# Altium PCB D73-V1.2 交通灯系统.PcbDoc (part 2 of 3)
Units mm, origin at the board's own origin, x right, y up, seen from the top; angles counter-clockwise.
Board outline 234.25 x 96.25 mm, 2 copper layers (TopLayer, BottomLayer); 84 components, 157 nets, 428 pads, 59 vias.
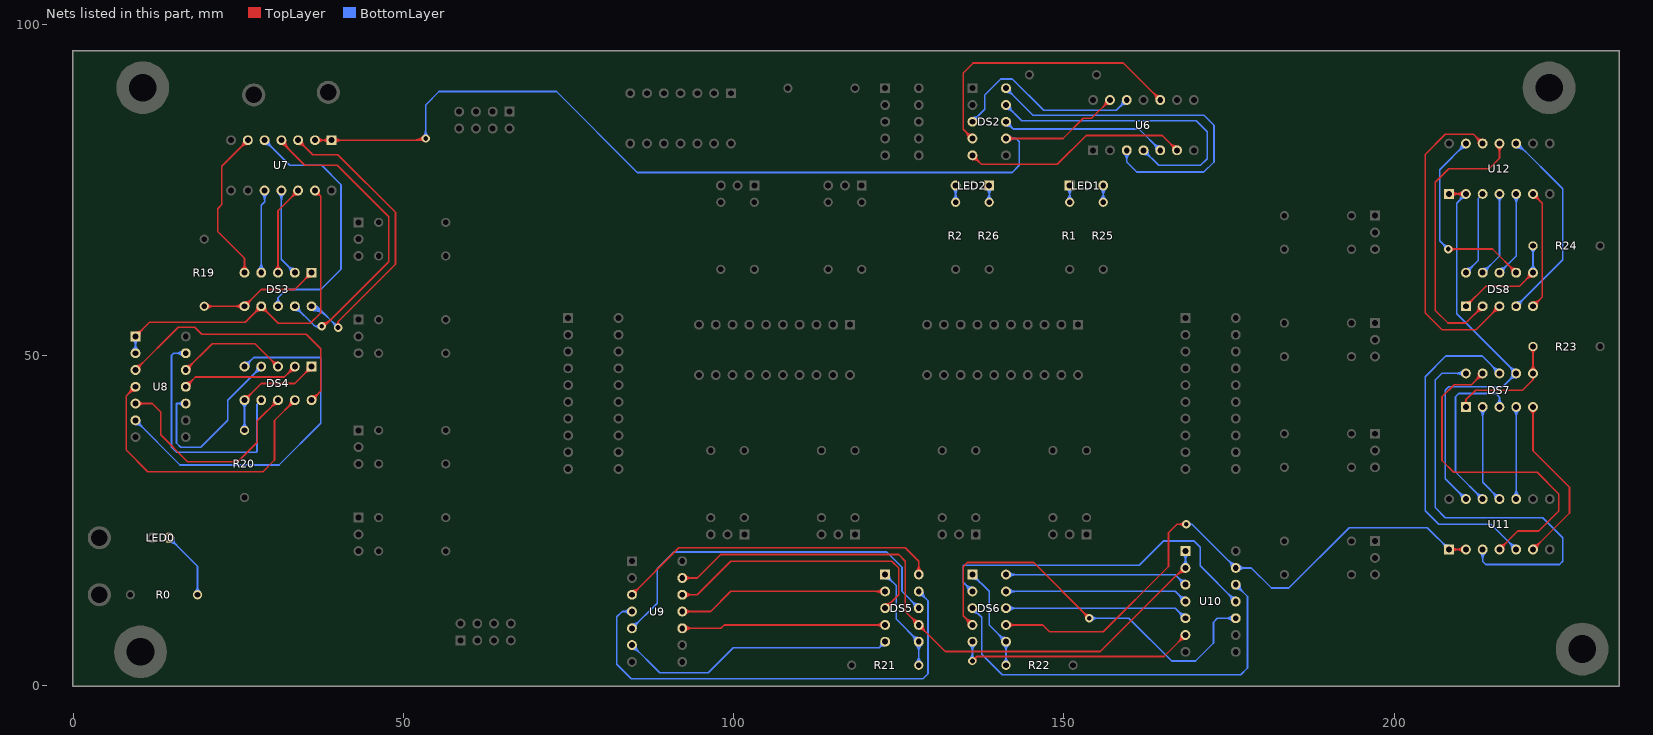
[diagram p2: the nets of this part, all layers, seen from the top]

## Via types
v1: diameter 1, hole 0.7, TopLayer to BottomLayer, 39 vias
v2: diameter 1.27, hole 0.711, TopLayer to BottomLayer, 20 vias

## Nets (pads, with @x,y where several pads share a name; then routed paths per layer and width w, separated by ;. In a path a pad name is that pad's centre, name@x,y a point inside that pad or via, vN(x,y) a via of type N, cw(c..) or ccw(c..) an arc to the next point about the centre after c; other vN are vias at no path point) (continued)
NetDS2_3: DS2.3 U6.12 | length 37.5
  BottomLayer w0.254: DS2.3@136.144,85.344 138.024,87.224 138.024,89.408 140.437,91.821 142.189,91.821 146.926,87.084 157.95,87.084 U6.12@159.512,88.646 ; DS2.3@136.144,85.713 ccw(c136.144,86.604) 136.774,85.974 ccw(c137.404,85.344) DS2.3@136.513,85.344 ; DS2.3@136.144,85.967 ccw(c136.144,87.471) 137.208,86.408 ccw(c138.271,85.344) DS2.3@136.767,85.344 ; U6.12@158.889,88.646 cw(c157.385,88.646) 158.448,87.582 cw(c159.512,86.519) U6.12@159.512,88.023 ; U6.12@159.143,88.646 cw(c158.252,88.646) 158.882,88.016 cw(c159.512,87.386) U6.12@159.512,88.277
NetDS2_4: DS2.4 U6.10 | length 50.8
  TopLayer w0.254: DS2.4@135.521,82.804 ccw(c134.017,82.804) 135.08,83.868 ccw(c136.144,84.931) DS2.4@136.144,83.427 ; DS2.4@135.775,82.804 ccw(c134.884,82.804) 135.514,83.434 ccw(c136.144,84.064) DS2.4@136.144,83.173 ; DS2.4@136.144,82.804 134.747,84.201 134.747,92.735 136.246,94.234 159.004,94.234 U6.10@164.592,88.646 ; U6.10@163.969,88.646 ccw(c162.465,88.646) 163.528,89.71 ccw(c164.592,90.773) U6.10@164.592,89.269 ; U6.10@164.223,88.646 ccw(c163.332,88.646) 163.962,89.276 ccw(c164.592,89.906) U6.10@164.592,89.015
NetDS2_5: DS2.5 U6.6 | length 41.8
  TopLayer w0.254: DS2.5@136.144,79.641 cw(c136.144,78.137) 137.208,79.2 cw(c138.271,80.264) DS2.5@136.767,80.264 ; DS2.5@136.144,79.895 cw(c136.144,79.004) 136.774,79.634 cw(c137.404,80.264) DS2.5@136.513,80.264 ; DS2.5@136.144,80.264 137.521,78.887 148.991,78.887 153.365,83.261 164.897,83.261 U6.6@167.132,81.026 ; U6.6@166.509,81.026 ccw(c165.005,81.026) 166.068,82.09 ccw(c167.132,83.153) U6.6@167.132,81.649 ; U6.6@166.763,81.026 ccw(c165.872,81.026) 166.502,81.656 ccw(c167.132,82.286) U6.6@167.132,81.395
NetDS2_7: DS2.7 U6.13 U7.1 U7.2 | length 170.5
  TopLayer w0.254: U7.2@36.576,82.55 U7.1@39.116,82.55 53.086,82.55 v2(53.34,82.804) cw(c52.727,83.417) 52.727,82.55 cw(c52.727,82.191) v2@52.981,82.445 ; U7.2@36.837,82.289 cw(c37.467,81.659) 37.467,82.55 cw(c37.467,83.441) U7.2@36.837,82.811 ; U7.2@37.017,82.109 cw(c38.08,81.046) 38.08,82.55 cw(c38.08,84.054) U7.2@37.017,82.991 ; U7.1@38.675,82.109 ccw(c37.612,81.046) 37.612,82.55 ccw(c37.612,84.054) U7.1@38.675,82.991 ; U7.1@38.855,82.289 ccw(c38.225,81.659) 38.225,82.55 ccw(c38.225,83.441) U7.1@38.855,82.811 ; U7.1@39.377,82.289 cw(c40.007,81.659) 40.007,82.55 cw(c40.007,83.441) U7.1@39.377,82.811 ; U7.1@39.557,82.109 cw(c40.62,81.046) 40.62,82.55 cw(c40.62,84.054) U7.1@39.557,82.991 ; 51.5,82.55 ccw(c51.5,84.644) v2@52.981,83.163 ; 52.114,82.55 ccw(c52.114,84.03) v2@53.16,82.984 ; DS2.7@141.224,82.804 149.86,82.804 152.908,85.852 154.178,85.852 U6.13@156.972,88.646 ; DS2.7@141.485,82.543 cw(c142.115,81.913) 142.115,82.804 cw(c142.115,83.695) DS2.7@141.485,83.065 ; DS2.7@141.665,82.363 cw(c142.728,81.3) 142.728,82.804 cw(c142.728,84.308) DS2.7@141.665,83.245 ; U6.13@156.349,88.646 cw(c154.845,88.646) 155.908,87.582 cw(c156.972,86.519) U6.13@156.972,88.023 ; U6.13@156.603,88.646 cw(c155.712,88.646) 156.342,88.016 cw(c156.972,87.386) U6.13@156.972,88.277
  BottomLayer w0.254: v2@52.981,83.163 ccw(c52.114,84.03) 53.34,84.03 ccw(c54.566,84.03) v2@53.699,83.163 ; v2(53.34,82.804) 53.34,87.884 55.372,89.916 73.152,89.916 85.412,77.656 142.172,77.656 143.256,78.74 143.256,82.296 142.748,82.804 DS2.7@141.224,82.804 ; DS2.7@141.485,82.543 cw(c142.115,81.913) 142.115,82.804 cw(c142.115,83.695) DS2.7@141.485,83.065 ; DS2.7@141.665,82.363 cw(c142.728,81.3) 142.728,82.804 cw(c142.728,84.308) DS2.7@141.665,83.245
NetDS2_8: DS2.8 U6.5 | length 32.7
  BottomLayer w0.254: DS2.8@141.224,84.721 cw(c141.224,83.217) 142.288,84.28 cw(c143.351,85.344) DS2.8@141.847,85.344 ; DS2.8@141.224,84.975 cw(c141.224,84.084) 141.854,84.714 cw(c142.484,85.344) DS2.8@141.593,85.344 ; DS2.8@141.224,85.344 142.316,84.252 161.366,84.252 U6.5@164.592,81.026 ; U6.5@163.969,81.026 ccw(c162.465,81.026) 163.528,82.09 ccw(c164.592,83.153) U6.5@164.592,81.649 ; U6.5@164.223,81.026 ccw(c163.332,81.026) 163.962,81.656 ccw(c164.592,82.286) U6.5@164.592,81.395
NetDS2_9: DS2.9 U6.4 | length 54.8
  BottomLayer w0.254: DS2.9@141.224,87.261 cw(c141.224,85.757) 142.288,86.82 cw(c143.351,87.884) DS2.9@141.847,87.884 ; DS2.9@141.224,87.515 cw(c141.224,86.624) 141.854,87.254 cw(c142.484,87.884) DS2.9@141.593,87.884 ; DS2.9@141.224,87.884 143.616,85.492 170.032,85.492 171.704,83.82 171.704,79.756 170.688,78.74 164.338,78.74 U6.4@162.052,81.026 ; U6.4@162.052,80.403 cw(c162.052,78.899) 163.116,79.962 cw(c164.179,81.026) U6.4@162.675,81.026 ; U6.4@162.052,80.657 cw(c162.052,79.766) 162.682,80.396 cw(c163.312,81.026) U6.4@162.421,81.026
NetDS2_10: DS2.10 U6.3 | length 63.2
  BottomLayer w0.254: DS2.10@141.224,89.801 cw(c141.224,88.297) 142.288,89.36 cw(c143.351,90.424) DS2.10@141.847,90.424 ; DS2.10@141.224,90.055 cw(c141.224,89.164) 141.854,89.794 cw(c142.484,90.424) DS2.10@141.593,90.424 ; DS2.10@141.224,90.424 145.318,86.33 171.226,86.33 172.72,84.836 172.72,79.248 171.196,77.724 161.036,77.724 159.512,79.248 U6.3@159.512,81.026 ; U6.3@159.071,80.585 cw(c158.008,79.522) 159.512,79.522 cw(c161.016,79.522) U6.3@159.953,80.585 ; U6.3@159.251,80.765 cw(c158.621,80.135) 159.512,80.135 cw(c160.403,80.135) U6.3@159.773,80.765
NetDS3_1: DS3.1 DS3.6 R19.1 | length 33
  TopLayer w0.254: R19.1@19.812,57.404 DS3.6@25.908,57.404 28.448,59.944 33.528,59.944 DS3.1@36.068,62.484 ; R19.1@20.038,57.178 cw(c20.582,56.634) 20.582,57.404 cw(c20.582,58.174) R19.1@20.038,57.63 ; R19.1@20.217,56.999 cw(c21.195,56.021) 21.195,57.404 cw(c21.195,58.787) R19.1@20.217,57.809 ; DS3.6@25.467,56.963 ccw(c24.404,55.9) 24.404,57.404 ccw(c24.404,58.908) DS3.6@25.467,57.845 ; DS3.6@25.647,57.143 ccw(c25.017,56.513) 25.017,57.404 ccw(c25.017,58.295) DS3.6@25.647,57.665 ; DS3.6@25.908,57.773 ccw(c25.908,58.664) 26.538,58.034 ccw(c27.168,57.404) DS3.6@26.277,57.404 ; DS3.6@25.908,58.027 ccw(c25.908,59.531) 26.972,58.468 ccw(c28.035,57.404) DS3.6@26.531,57.404 ; DS3.1@35.445,62.484 cw(c33.941,62.484) 35.004,61.42 cw(c36.068,60.357) DS3.1@36.068,61.861 ; DS3.1@35.699,62.484 cw(c34.808,62.484) 35.438,61.854 cw(c36.068,61.224) DS3.1@36.068,62.115
NetDS3_2: DS3.2 U7.11 | length 20.8
  BottomLayer w0.254: U7.11@31.055,74.489 cw(c29.992,73.426) 31.496,73.426 cw(c33,73.426) U7.11@31.937,74.489 ; U7.11@31.235,74.669 cw(c30.605,74.039) 31.496,74.039 cw(c32.387,74.039) U7.11@31.757,74.669 ; U7.11@31.496,74.93 31.496,64.516 DS3.2@33.528,62.484 ; DS3.2@32.905,62.484 ccw(c31.401,62.484) 32.464,63.548 ccw(c33.528,64.611) DS3.2@33.528,63.107 ; DS3.2@33.159,62.484 ccw(c32.268,62.484) 32.898,63.114 ccw(c33.528,63.744) DS3.2@33.528,62.853
NetDS3_3: DS3.3 U7.12 | length 21.2
  TopLayer w0.254: DS3.3@30.547,62.925 ccw(c29.484,63.988) 30.988,63.988 ccw(c32.492,63.988) DS3.3@31.429,62.925 ; DS3.3@30.727,62.745 ccw(c30.097,63.375) 30.988,63.375 ccw(c31.879,63.375) DS3.3@31.249,62.745 ; DS3.3@30.988,62.484 30.988,71.882 U7.12@34.036,74.93 ; U7.12@33.413,74.93 cw(c31.909,74.93) 32.972,73.866 cw(c34.036,72.803) U7.12@34.036,74.307 ; U7.12@33.667,74.93 cw(c32.776,74.93) 33.406,74.3 cw(c34.036,73.67) U7.12@34.036,74.561
NetDS3_4: DS3.4 U7.10 | length 20.2
  BottomLayer w0.254: DS3.4@28.007,62.925 ccw(c26.944,63.988) 28.448,63.988 ccw(c29.952,63.988) DS3.4@28.889,62.925 ; DS3.4@28.187,62.745 ccw(c27.557,63.375) 28.448,63.375 ccw(c29.339,63.375) DS3.4@28.709,62.745 ; DS3.4@28.448,62.484 28.448,72.72 28.956,73.228 U7.10@28.956,74.93 ; U7.10@28.515,74.489 cw(c27.452,73.426) 28.956,73.426 cw(c30.46,73.426) U7.10@29.397,74.489 ; U7.10@28.695,74.669 cw(c28.065,74.039) 28.956,74.039 cw(c29.847,74.039) U7.10@29.217,74.669
NetDS3_5: DS3.5 U7.6 | length 31.2
  TopLayer w0.254: DS3.5@25.467,62.925 ccw(c24.404,63.988) 25.908,63.988 ccw(c27.412,63.988) DS3.5@26.349,62.925 ; DS3.5@25.647,62.745 ccw(c25.017,63.375) 25.908,63.375 ccw(c26.799,63.375) DS3.5@26.169,62.745 ; U7.6@25.793,82.55 cw(c24.289,82.55) 25.352,81.486 cw(c26.416,80.423) U7.6@26.416,81.927 ; DS3.5@25.908,62.484 25.908,64.668 21.845,68.732 21.845,72.188 22.479,72.823 22.479,78.613 U7.6@26.416,82.55 ; U7.6@26.047,82.55 cw(c25.156,82.55) 25.786,81.92 cw(c26.416,81.29) U7.6@26.416,82.181
NetDS3_7: DS3.7 U7.13 U8.1 U8.2 | length 73.7
  TopLayer w0.254: U8.1@9.398,52.832 11.529,54.963 26.007,54.963 DS3.7@28.448,57.404 31.039,54.813 35.89,54.813 37.465,56.388 37.465,74.041 ; U8.1@9.398,53.201 ccw(c9.398,54.092) 10.028,53.462 ccw(c10.658,52.832) U8.1@9.767,52.832 ; U8.1@9.398,53.455 ccw(c9.398,54.959) 10.462,53.896 ccw(c11.525,52.832) U8.1@10.021,52.832 ; DS3.7@27.825,57.404 cw(c26.321,57.404) 27.384,56.34 cw(c28.448,55.277) 28.448,56.781 cw(c28.448,55.277) 29.512,56.34 cw(c30.575,57.404) DS3.7@29.071,57.404 ; DS3.7@28.079,57.404 cw(c27.188,57.404) 27.818,56.774 cw(c28.448,56.144) 28.448,57.035 cw(c28.448,56.144) 29.078,56.774 cw(c29.708,57.404) DS3.7@28.817,57.404 ; U7.13@36.576,74.93 37.465,74.041 ; U7.13@36.66,74.313 cw(c36.788,73.364) 37.465,74.041 ; U7.13@37.193,74.846 ccw(c38.142,74.718) 37.465,74.041
  BottomLayer w0.254: U8.2@8.957,50.733 ccw(c7.894,51.796) 9.398,51.796 ccw(c10.902,51.796) U8.2@9.839,50.733 ; U8.1@8.957,52.391 cw(c7.894,51.328) 9.398,51.328 cw(c10.902,51.328) U8.1@9.839,52.391 ; U8.2@9.137,50.553 ccw(c8.507,51.183) 9.398,51.183 ccw(c10.289,51.183) U8.2@9.659,50.553 ; U8.1@9.137,52.571 cw(c8.507,51.941) 9.398,51.941 cw(c10.289,51.941) U8.1@9.659,52.571 ; U8.2@9.398,50.292 U8.1@9.398,52.832
NetDS3_8: DS3.8 U7.5 | length 46.4
  BottomLayer w0.254: U7.5@28.956,81.927 cw(c28.956,80.423) 30.02,81.486 cw(c31.083,82.55) U7.5@29.579,82.55 ; U7.5@28.956,82.181 cw(c28.956,81.29) 29.586,81.92 cw(c30.216,82.55) U7.5@29.325,82.55 ; U7.5@28.956,82.55 32.766,78.74 37.592,78.74 40.513,75.819 40.513,62.992 37.465,59.944 32.258,59.944 30.988,58.674 ; DS3.8@30.607,57.897 ccw(c30.005,58.674) 30.988,58.674 ; DS3.8@30.762,57.696 ccw(c30.406,58.156) 30.988,58.156 ccw(c31.57,58.156) DS3.8@31.214,57.696 ; DS3.8@30.988,57.404 30.988,58.674 ; DS3.8@31.369,57.897 cw(c31.971,58.674) 30.988,58.674
NetDS3_9: DS3.9 U7.4 | length 60.1
  TopLayer w0.254: U7.4@31.496,81.927 cw(c31.496,81.036) 32.126,81.666 ; U7.4@31.496,82.55 31.496,82.296 35.052,78.74 39.98,78.74 47.752,70.968 47.752,64.135 37.973,54.356 v2(37.592,54.356) ccw(c37.592,55.276) 38.242,54.625 ; U7.4@31.865,82.55 ccw(c33.369,82.55) 32.306,81.486 ; U7.4@32.119,82.55 ccw(c34.236,82.55) 32.739,81.053 ; v2@37.592,54.61 ccw(c37.592,56.143) 38.676,55.059 ; v2@37.592,54.864 ccw(c37.592,57.01) 39.11,55.493 ; v2@38.1,54.356 cw(c38.407,54.356) 38.19,54.573
  BottomLayer w0.254: DS3.9@33.528,56.781 cw(c33.528,55.277) 34.592,56.34 cw(c35.655,57.404) DS3.9@34.151,57.404 ; DS3.9@33.528,57.035 cw(c33.528,56.144) 34.158,56.774 cw(c34.788,57.404) DS3.9@33.897,57.404 ; DS3.9@33.528,57.404 36.576,54.356 ; v2@37.186,54.051 ccw(c36.576,53.594) 36.576,54.356 ; v2@37.186,54.661 cw(c36.576,55.118) 36.576,54.356 ; v2(37.592,54.356) 36.576,54.356
NetDS3_10: DS3.10 U7.3 | length 60.7
  TopLayer w0.254: U7.3@34.036,81.927 cw(c34.036,80.423) 35.1,81.486 cw(c36.163,82.55) U7.3@34.659,82.55 ; U7.3@34.036,82.181 cw(c34.036,81.29) 34.666,81.92 cw(c35.296,82.55) U7.3@34.405,82.55 ; U7.3@34.036,82.55 36.246,80.34 40.056,80.34 48.768,71.628 48.768,63.754 40.081,55.067 ; v2@39.823,54.616 ccw(c39.557,55.067) 40.081,55.067 ; v2(40.081,54.178) 40.081,55.067 ; v2@40.339,54.616 cw(c40.605,55.067) 40.081,55.067
  BottomLayer w0.254: DS3.10@36.068,56.781 cw(c36.068,53.376) 38.476,55.784 ; DS3.10@36.068,57.035 cw(c36.068,54.243) 38.042,56.217 ; DS3.10@36.068,57.289 cw(c36.068,55.11) 37.608,56.651 ; DS3.10@36.068,57.404 36.855,57.404 ; DS3.10@36.068,57.543 cw(c36.068,55.978) 37.175,57.085 ; DS3.10@36.674,57.261 cw(c36.855,57.218) 36.855,57.404 ; DS3.10@36.674,57.547 ccw(c36.855,57.59) 36.855,57.404 ; v2@39.573,54.178 ccw(c38.347,54.178) 39.214,55.045 ccw(c40.081,55.913) v2@40.081,54.686 ; v2(40.081,54.178) 36.855,57.404
NetDS4_1: DS4.1 DS4.6 R20.1 | length 31.5
  TopLayer w0.254: DS4.6@25.908,43.18 28.448,45.72 33.528,45.72 DS4.1@36.068,48.26 ; DS4.6@25.908,43.549 ccw(c25.908,44.44) 26.538,43.81 ccw(c27.168,43.18) DS4.6@26.277,43.18 ; DS4.6@25.908,43.803 ccw(c25.908,45.307) 26.972,44.244 ccw(c28.035,43.18) DS4.6@26.531,43.18 ; DS4.1@35.445,48.26 cw(c33.941,48.26) 35.004,47.196 cw(c36.068,46.133) DS4.1@36.068,47.637 ; DS4.1@35.699,48.26 cw(c34.808,48.26) 35.438,47.63 cw(c36.068,47) DS4.1@36.068,47.891
  BottomLayer w0.254: DS4.6@25.467,42.739 cw(c24.404,41.676) 25.908,41.676 cw(c27.412,41.676) DS4.6@26.349,42.739 ; R20.1@25.503,39.013 ccw(c24.525,39.991) 25.908,39.991 ccw(c27.291,39.991) R20.1@26.313,39.013 ; DS4.6@25.647,42.919 cw(c25.017,42.289) 25.908,42.289 cw(c26.799,42.289) DS4.6@26.169,42.919 ; R20.1@25.682,38.834 ccw(c25.138,39.378) 25.908,39.378 ccw(c26.678,39.378) R20.1@26.134,38.834 ; R20.1@25.908,38.608 DS4.6@25.908,43.18
NetDS4_2: DS4.2 U8.11 | length 25.3
  TopLayer w0.254: U8.11@17.018,45.212 18.491,46.685 31.953,46.685 DS4.2@33.528,48.26 ; U8.11@17.018,45.581 ccw(c17.018,46.472) 17.648,45.842 ccw(c18.278,45.212) U8.11@17.387,45.212 ; U8.11@17.018,45.835 ccw(c17.018,47.339) 18.082,46.276 ccw(c19.145,45.212) U8.11@17.641,45.212 ; DS4.2@32.905,48.26 cw(c31.401,48.26) 32.464,47.196 cw(c33.528,46.133) DS4.2@33.528,47.637 ; DS4.2@33.159,48.26 cw(c32.268,48.26) 32.898,47.63 cw(c33.528,47) DS4.2@33.528,47.891
NetDS4_3: DS4.3 U8.12 | length 24.6
  TopLayer w0.254: U8.12@17.018,47.752 21.006,51.74 27.508,51.74 DS4.3@30.988,48.26 ; U8.12@17.018,48.121 ccw(c17.018,49.012) 17.648,48.382 ccw(c18.278,47.752) U8.12@17.387,47.752 ; U8.12@17.018,48.375 ccw(c17.018,49.879) 18.082,48.816 ccw(c19.145,47.752) U8.12@17.641,47.752 ; DS4.3@30.365,48.26 ccw(c28.861,48.26) 29.924,49.324 ccw(c30.988,50.387) DS4.3@30.988,48.883 ; DS4.3@30.619,48.26 ccw(c29.728,48.26) 30.358,48.89 ccw(c30.988,49.52) DS4.3@30.988,48.629
NetDS4_4: DS4.4 U8.10 | length 34.4
  BottomLayer w0.254: U8.10@16.554,42.256 ccw(c15.621,41.417) 15.621,42.672 ; U8.10@16.554,43.088 cw(c15.621,43.927) 15.621,42.672 ; U8.10@16.743,42.425 ccw(c16.191,41.929) 16.191,42.672 ccw(c16.191,43.415) U8.10@16.743,42.919 ; U8.10@17.018,42.672 15.621,42.672 ; DS4.4@27.825,48.26 cw(c26.321,48.26) 27.384,47.196 cw(c28.448,46.133) DS4.4@28.448,47.637 ; DS4.4@28.079,48.26 cw(c27.188,48.26) 27.818,47.63 cw(c28.448,47) DS4.4@28.448,47.891 ; DS4.4@28.448,48.26 23.368,43.18 23.368,40.132 19.304,36.068 16.256,36.068 15.621,36.703 15.621,42.672
NetDS4_5: DS4.5 U8.6 | length 63.1
  BottomLayer w0.254: U8.6@9.398,39.509 cw(c9.398,38.005) 10.462,39.068 cw(c11.525,40.132) U8.6@10.021,40.132 ; U8.6@9.398,39.763 cw(c9.398,38.872) 10.028,39.502 cw(c10.658,40.132) U8.6@9.767,40.132 ; U8.6@9.398,40.132 16.154,33.376 31.14,33.376 37.465,39.7 37.465,49.657 27.305,49.657 DS4.5@25.908,48.26 ; DS4.5@25.908,48.629 ccw(c25.908,49.52) 26.538,48.89 ccw(c27.168,48.26) DS4.5@26.277,48.26 ; DS4.5@25.908,48.883 ccw(c25.908,50.387) 26.972,49.324 ccw(c28.035,48.26) DS4.5@26.531,48.26
NetDS4_7: DS4.7 U8.13 | length 41.3
  BottomLayer w0.254: U8.13@16.577,49.851 ccw(c15.514,48.788) 15.514,50.292 ccw(c15.514,51.796) U8.13@16.577,50.733 ; U8.13@16.757,50.031 ccw(c16.127,49.401) 16.127,50.292 ccw(c16.127,51.183) U8.13@16.757,50.553 ; U8.13@17.018,50.292 15.189,50.292 14.859,49.962 14.859,36.068 15.621,35.306 27.737,35.306 27.813,35.382 27.813,42.545 DS4.7@28.448,43.18
NetDS4_8: DS4.8 U8.5 | length 40.6
  TopLayer w0.254: U8.5@9.398,42.672 11.938,42.672 13.208,41.402 13.208,37.922 17.272,33.858 24.892,33.858 27.864,36.83 27.864,40.056 DS4.8@30.988,43.18 ; U8.5@9.659,42.411 cw(c10.289,41.781) 10.289,42.672 cw(c10.289,43.563) U8.5@9.659,42.933 ; U8.5@9.839,42.231 cw(c10.902,41.168) 10.902,42.672 cw(c10.902,44.176) U8.5@9.839,43.113 ; DS4.8@30.365,43.18 cw(c28.861,43.18) 29.924,42.116 cw(c30.988,41.053) DS4.8@30.988,42.557 ; DS4.8@30.619,43.18 cw(c29.728,43.18) 30.358,42.55 cw(c30.988,41.92) DS4.8@30.988,42.811
NetDS4_9: DS4.9 U8.4 | length 52.6
  TopLayer w0.254: U8.4@8.775,45.212 cw(c7.271,45.212) 8.334,44.148 cw(c9.398,43.085) U8.4@9.398,44.589 ; U8.4@9.029,45.212 cw(c8.138,45.212) 8.768,44.582 cw(c9.398,43.952) U8.4@9.398,44.843 ; U8.4@9.398,45.212 8.001,43.815 8.001,35.636 11.278,32.36 28.702,32.36 30.455,34.112 30.455,40.107 DS4.9@33.528,43.18 ; DS4.9@32.905,43.18 cw(c31.401,43.18) 32.464,42.116 cw(c33.528,41.053) DS4.9@33.528,42.557 ; DS4.9@33.159,43.18 cw(c32.268,43.18) 32.898,42.55 cw(c33.528,41.92) DS4.9@33.528,42.811
NetDS4_10: DS4.10 U8.3 | length 48
  TopLayer w0.254: U8.3@9.398,47.752 15.855,54.209 18.39,54.209 19.436,53.162 35.255,53.162 37.465,50.952 37.465,44.577 DS4.10@36.068,43.18 ; U8.3@9.398,48.121 ccw(c9.398,49.012) 10.028,48.382 ccw(c10.658,47.752) U8.3@9.767,47.752 ; U8.3@9.398,48.375 ccw(c9.398,49.879) 10.462,48.816 ccw(c11.525,47.752) U8.3@10.021,47.752 ; DS4.10@36.068,43.549 ccw(c36.068,44.44) 36.698,43.81 ccw(c37.328,43.18) DS4.10@36.437,43.18 ; DS4.10@36.068,43.803 ccw(c36.068,45.307) 37.132,44.244 ccw(c38.195,43.18) DS4.10@36.691,43.18
NetDS5_1: DS5.1 DS5.6 R21.1 | length 30.5
  BottomLayer w0.254: DS5.1@122.936,16.141 cw(c122.936,14.637) 124,15.7 cw(c125.063,16.764) DS5.1@123.559,16.764 ; DS5.1@122.936,16.395 cw(c122.936,15.504) 123.566,16.134 cw(c124.196,16.764) DS5.1@123.305,16.764 ; DS5.1@122.936,16.764 124.587,15.113 124.587,10.033 DS5.6@128.016,6.604 R21.1@128.016,3.048 ; DS5.6@127.393,6.604 ccw(c125.889,6.604) 126.952,7.668 ccw(c128.016,8.731) DS5.6@128.016,7.227 ; DS5.6@127.575,6.163 cw(c126.512,5.1) 128.016,5.1 cw(c129.52,5.1) DS5.6@128.457,6.163 ; R21.1@127.611,3.453 ccw(c126.633,4.431) 128.016,4.431 ccw(c129.399,4.431) R21.1@128.421,3.453 ; DS5.6@127.647,6.604 ccw(c126.756,6.604) 127.386,7.234 ccw(c128.016,7.864) DS5.6@128.016,6.973 ; DS5.6@127.755,6.343 cw(c127.125,5.713) 128.016,5.713 cw(c128.907,5.713) DS5.6@128.277,6.343 ; R21.1@127.79,3.274 ccw(c127.246,3.818) 128.016,3.818 ccw(c128.786,3.818) R21.1@128.242,3.274
NetDS5_2: DS5.2 U9.11 | length 39.5
  TopLayer w0.254: U9.11@92.202,11.176 96.52,11.176 99.568,14.224 DS5.2@122.936,14.224 ; U9.11@92.463,10.915 cw(c93.093,10.285) 93.093,11.176 cw(c93.093,12.067) U9.11@92.463,11.437 ; U9.11@92.643,10.735 cw(c93.706,9.672) 93.706,11.176 cw(c93.706,12.68) U9.11@92.643,11.617 ; DS5.2@122.495,13.783 ccw(c121.432,12.72) 121.432,14.224 ccw(c121.432,15.728) DS5.2@122.495,14.665 ; DS5.2@122.675,13.963 ccw(c122.045,13.333) 122.045,14.224 ccw(c122.045,15.115) DS5.2@122.675,14.485
NetDS5_3: DS5.3 U9.12 | length 49.8
  TopLayer w0.254: U9.12@92.202,13.716 94.488,13.716 99.568,18.796 123.952,18.796 124.968,17.78 124.968,13.716 DS5.3@122.936,11.684 ; U9.12@92.463,13.455 cw(c93.093,12.825) 93.093,13.716 cw(c93.093,14.607) U9.12@92.463,13.977 ; U9.12@92.643,13.275 cw(c93.706,12.212) 93.706,13.716 cw(c93.706,15.22) U9.12@92.643,14.157 ; DS5.3@122.936,12.053 ccw(c122.936,12.944) 123.566,12.314 ccw(c124.196,11.684) DS5.3@123.305,11.684 ; DS5.3@122.936,12.307 ccw(c122.936,13.811) 124,12.748 ccw(c125.063,11.684) DS5.3@123.559,11.684
NetDS5_4: DS5.4 U9.10 | length 38.5
  TopLayer w0.254: U9.10@92.202,8.636 98.044,8.636 98.552,9.144 DS5.4@122.936,9.144 ; U9.10@92.463,8.375 cw(c93.093,7.745) 93.093,8.636 cw(c93.093,9.527) U9.10@92.463,8.897 ; U9.10@92.643,8.195 cw(c93.706,7.132) 93.706,8.636 cw(c93.706,10.14) U9.10@92.643,9.077 ; DS5.4@122.495,8.703 ccw(c121.432,7.64) 121.432,9.144 ccw(c121.432,10.648) DS5.4@122.495,9.585 ; DS5.4@122.675,8.883 ccw(c122.045,8.253) 122.045,9.144 ccw(c122.045,10.035) DS5.4@122.675,9.405
NetDS5_5: DS5.5 U9.6 | length 47.6
  BottomLayer w0.254: U9.6@84.582,5.473 cw(c84.582,3.969) 85.646,5.032 cw(c86.709,6.096) U9.6@85.205,6.096 ; U9.6@84.582,5.727 cw(c84.582,4.836) 85.212,5.466 cw(c85.842,6.096) U9.6@84.951,6.096 ; U9.6@84.582,6.096 88.773,1.905 96.139,1.905 99.949,5.715 122.047,5.715 ; DS5.5@122.319,6.52 cw(c121.37,6.392) 122.047,5.715 ; DS5.5@122.852,5.987 ccw(c122.724,5.038) 122.047,5.715 ; DS5.5@122.936,6.604 122.047,5.715
NetDS5_7: DS5.7 U9.13 U10.1 U10.2 | length 118.4
  TopLayer w0.254: U9.13@92.202,16.256 94.488,16.256 98.044,19.812 124.968,19.812 125.984,18.796 125.984,11.176 DS5.7@128.016,9.144 132.029,5.131 155.499,5.131 168.148,17.78 U10.2@168.402,17.78 ; U9.13@92.463,15.995 cw(c93.093,15.365) 93.093,16.256 cw(c93.093,17.147) U9.13@92.463,16.517 ; U9.13@92.643,15.815 cw(c93.706,14.752) 93.706,16.256 cw(c93.706,17.76) U9.13@92.643,16.697 ; DS5.7@127.393,9.144 ccw(c125.889,9.144) 126.952,10.208 ccw(c128.016,11.271) DS5.7@128.016,9.767 ; DS5.7@127.647,9.144 ccw(c126.756,9.144) 127.386,9.774 ccw(c128.016,10.404) DS5.7@128.016,9.513 ; DS5.7@128.016,8.521 cw(c128.016,7.017) 129.08,8.08 cw(c130.143,9.144) DS5.7@128.639,9.144 ; DS5.7@128.016,8.775 cw(c128.016,7.884) 128.646,8.514 cw(c129.276,9.144) DS5.7@128.385,9.144 ; 166.905,16.537 cw(c168.402,15.04) U10.2@168.402,17.157 ; 167.338,16.97 cw(c168.402,15.907) U10.2@168.402,17.411 ; 167.518,17.15 ccw(c166.888,17.78) U10.2@167.779,17.78
  BottomLayer w0.254: U10.2@167.961,18.221 ccw(c166.898,19.284) 168.402,19.284 ccw(c169.906,19.284) U10.2@168.843,18.221 ; U10.1@167.961,19.879 cw(c166.898,18.816) 168.402,18.816 cw(c169.906,18.816) U10.1@168.843,19.879 ; U10.2@168.141,18.041 ccw(c167.511,18.671) 168.402,18.671 ccw(c169.293,18.671) U10.2@168.663,18.041 ; U10.1@168.141,20.059 cw(c167.511,19.429) 168.402,19.429 cw(c169.293,19.429) U10.1@168.663,20.059 ; U10.2@168.402,17.78 U10.1@168.402,20.32
NetDS5_8: DS5.8 U9.5 | length 64.5
  BottomLayer w0.254: U9.5@84.582,8.636 88.392,12.446 88.392,17.653 90.932,20.193 123.165,20.193 125.476,17.882 125.476,14.224 DS5.8@128.016,11.684 ; U9.5@84.582,9.005 ccw(c84.582,9.896) 85.212,9.266 ccw(c85.842,8.636) U9.5@84.951,8.636 ; U9.5@84.582,9.259 ccw(c84.582,10.763) 85.646,9.7 ccw(c86.709,8.636) U9.5@85.205,8.636 ; DS5.8@127.393,11.684 ccw(c125.889,11.684) 126.952,12.748 ccw(c128.016,13.811) DS5.8@128.016,12.307 ; DS5.8@127.647,11.684 ccw(c126.756,11.684) 127.386,12.314 ccw(c128.016,12.944) DS5.8@128.016,12.053
NetDS5_9: DS5.9 U9.4 | length 78.6
  BottomLayer w0.254: U9.4@84.135,10.742 ccw(c83.109,9.746) 83.109,11.176 ; U9.4@84.135,11.61 cw(c83.109,12.606) 83.109,11.176 ; U9.4@84.317,10.919 ccw(c83.709,10.329) 83.709,11.176 ccw(c83.709,12.023) U9.4@84.317,11.433 ; U9.4@84.582,11.176 83.109,11.176 ; DS5.9@128.016,13.601 cw(c128.016,12.097) 129.08,13.16 cw(c130.143,14.224) DS5.9@128.639,14.224 ; DS5.9@128.016,13.855 cw(c128.016,12.964) 128.646,13.594 cw(c129.276,14.224) DS5.9@128.385,14.224 ; DS5.9@128.016,14.224 129.413,12.827 129.413,1.778 128.651,1.016 84.455,1.016 82.296,3.175 82.296,10.363 83.109,11.176
NetDS5_10: DS5.10 U9.3 | length 56.8
  TopLayer w0.254: U9.3@84.582,13.716 91.694,20.828 125.984,20.828 128.016,18.796 DS5.10@128.016,16.764 ; U9.3@84.582,14.085 ccw(c84.582,14.976) 85.212,14.346 ccw(c85.842,13.716) U9.3@84.951,13.716 ; U9.3@84.582,14.339 ccw(c84.582,15.843) 85.646,14.78 ccw(c86.709,13.716) U9.3@85.205,13.716 ; DS5.10@127.575,17.205 ccw(c126.512,18.268) 128.016,18.268 ccw(c129.52,18.268) DS5.10@128.457,17.205 ; DS5.10@127.755,17.025 ccw(c127.125,17.655) 128.016,17.655 ccw(c128.907,17.655) DS5.10@128.277,17.025
NetDS6_1: DS6.1 DS6.6 R22.1 | length 30.5
  BottomLayer w0.254: DS6.1@136.144,16.141 cw(c136.144,14.637) 137.208,15.7 cw(c138.271,16.764) DS6.1@136.767,16.764 ; DS6.1@136.144,16.395 cw(c136.144,15.504) 136.774,16.134 cw(c137.404,16.764) DS6.1@136.513,16.764 ; DS6.1@136.144,16.764 138.684,14.224 138.684,9.144 DS6.6@141.224,6.604 R22.1@141.224,3.048 ; DS6.6@140.601,6.604 ccw(c139.097,6.604) 140.16,7.668 ccw(c141.224,8.731) DS6.6@141.224,7.227 ; DS6.6@140.783,6.163 cw(c139.72,5.1) 141.224,5.1 cw(c142.728,5.1) DS6.6@141.665,6.163 ; R22.1@140.819,3.453 ccw(c139.841,4.431) 141.224,4.431 ccw(c142.607,4.431) R22.1@141.629,3.453 ; DS6.6@140.855,6.604 ccw(c139.964,6.604) 140.594,7.234 ccw(c141.224,7.864) DS6.6@141.224,6.973 ; DS6.6@140.963,6.343 cw(c140.333,5.713) 141.224,5.713 cw(c142.115,5.713) DS6.6@141.485,6.343 ; R22.1@140.998,3.274 ccw(c140.454,3.818) 141.224,3.818 ccw(c141.994,3.818) R22.1@141.45,3.274
NetDS6_2: DS6.2 U10.11 | length 60.3
  BottomLayer w0.254: DS6.2@135.521,14.224 ccw(c134.017,14.224) 135.08,15.288 ccw(c136.144,16.351) DS6.2@136.144,14.847 ; DS6.2@135.775,14.224 ccw(c134.884,14.224) 135.514,14.854 ccw(c136.144,15.484) DS6.2@136.144,14.593 ; DS6.2@136.144,14.224 134.747,15.621 134.747,18.161 161.417,18.161 165.125,21.869 169.672,21.869 170.637,20.904 170.637,18.085 U10.11@176.022,12.7 ; U10.11@175.399,12.7 ccw(c173.895,12.7) 174.958,13.764 ccw(c176.022,14.827) U10.11@176.022,13.323 ; U10.11@175.653,12.7 ccw(c174.762,12.7) 175.392,13.33 ccw(c176.022,13.96) U10.11@176.022,13.069
NetDS6_3: DS6.3 U10.12 | length 70.4
  BottomLayer w0.254: DS6.3@136.144,11.061 cw(c136.144,9.557) 137.208,10.62 cw(c138.271,11.684) DS6.3@136.767,11.684 ; DS6.3@136.144,11.315 cw(c136.144,10.424) 136.774,11.054 cw(c137.404,11.684) DS6.3@136.513,11.684 ; DS6.3@136.144,11.684 137.541,10.287 137.541,4.699 140.64,1.6 176.784,1.6 177.8,2.616 177.8,13.462 U10.12@176.022,15.24 ; U10.12@176.022,14.617 cw(c176.022,13.113) 177.086,14.176 cw(c178.149,15.24) U10.12@176.645,15.24 ; U10.12@176.022,14.871 cw(c176.022,13.98) 176.652,14.61 cw(c177.282,15.24) U10.12@176.391,15.24
NetDS6_4: DS6.4 U10.10 | length 73
  TopLayer w0.254: DS6.4@135.521,9.144 ccw(c134.017,9.144) 135.08,10.208 ccw(c136.144,11.271) DS6.4@136.144,9.767 ; DS6.4@135.775,9.144 ccw(c134.884,9.144) 135.514,9.774 ccw(c136.144,10.404) DS6.4@136.144,9.513 ; DS6.4@136.144,9.144 134.747,10.541 134.747,17.958 135.382,18.593 145.415,18.593 v2(153.848,10.16) ; v2@153.34,10.16 ccw(c152.113,10.16) 152.981,11.027 ccw(c153.848,11.894) v2@153.848,10.668
  BottomLayer w0.254: v2(153.848,10.16) 159.842,10.16 166.319,3.683 169.926,3.683 172.644,6.401 172.644,9.576 173.228,10.16 U10.10@176.022,10.16 ; v2@154.207,9.801 cw(c155.074,8.934) 155.074,10.16 cw(c155.074,11.386) v2@154.207,10.519 ; U10.10@175.581,9.719 ccw(c174.518,8.656) 174.518,10.16 ccw(c174.518,11.664) U10.10@175.581,10.601 ; U10.10@175.761,9.899 ccw(c175.131,9.269) 175.131,10.16 ccw(c175.131,11.051) U10.10@175.761,10.421
NetDS6_5: DS6.5 U10.6 | length 47.6
  TopLayer w0.254: v2(136.144,3.683) 136.836,4.375 ; v2@136.231,4.183 ccw(c136.349,4.862) 136.836,4.375 ; v2@136.644,3.77 cw(c137.323,3.888) 136.836,4.375 ; U10.6@167.779,7.62 cw(c166.275,7.62) 167.338,6.556 cw(c168.402,5.493) U10.6@168.402,6.997 ; U10.6@168.033,7.62 cw(c167.142,7.62) 167.772,6.99 cw(c168.402,6.36) U10.6@168.402,7.251 ; U10.6@168.402,7.62 165.157,4.375 136.836,4.375
  BottomLayer w0.254: DS6.5@135.703,6.163 cw(c134.64,5.1) 136.144,5.1 cw(c137.648,5.1) DS6.5@136.585,6.163 ; v2@135.785,4.042 ccw(c134.918,4.909) 136.144,4.909 ccw(c137.37,4.909) v2@136.503,4.042 ; DS6.5@135.883,6.343 cw(c135.253,5.713) 136.144,5.713 cw(c137.035,5.713) DS6.5@136.405,6.343 ; v2(136.144,3.683) DS6.5@136.144,6.604
NetDS6_7: DS6.7 U10.13 U11.1 U11.2 | length 114.5
  TopLayer w0.254: DS6.7@141.224,9.144 146.812,9.144 147.828,8.128 155.956,8.128 165.828,18 165.828,23.089 167.132,24.393 v2(168.529,24.393) ; DS6.7@141.485,8.883 cw(c142.115,8.253) 142.115,9.144 cw(c142.115,10.035) DS6.7@141.485,9.405 ; DS6.7@141.665,8.703 cw(c142.728,7.64) 142.728,9.144 cw(c142.728,10.648) DS6.7@141.665,9.585 ; v2@168.17,24.034 ccw(c167.303,23.167) 167.303,24.393 ccw(c167.303,25.62) v2@168.17,24.753 ; U11.1@208.334,20.574 U11.2@210.874,20.574 ; U11.1@208.595,20.313 cw(c209.225,19.683) 209.225,20.574 cw(c209.225,21.465) U11.1@208.595,20.835 ; U11.1@208.775,20.133 cw(c209.838,19.07) 209.838,20.574 cw(c209.838,22.078) U11.1@208.775,21.015 ; U11.2@210.433,20.133 ccw(c209.37,19.07) 209.37,20.574 ccw(c209.37,22.078) U11.2@210.433,21.015 ; U11.2@210.613,20.313 ccw(c209.983,19.683) 209.983,20.574 ccw(c209.983,21.465) U11.2@210.613,20.835
  BottomLayer w0.254: v2(168.529,24.393) 169.409,24.393 ; v2@168.969,24.14 cw(c169.409,23.886) 169.409,24.393 ; v2@168.969,24.647 ccw(c169.409,24.901) 169.409,24.393 ; U10.13@175.399,17.78 ccw(c173.895,17.78) 174.958,18.844 ccw(c176.022,19.907) U10.13@176.022,18.403 ; U10.13@175.653,17.78 ccw(c174.762,17.78) 175.392,18.41 ccw(c176.022,19.04) U10.13@176.022,18.149 ; U10.13@176.283,17.519 cw(c176.913,16.889) 176.913,17.78 cw(c176.913,18.671) U10.13@176.283,18.041 ; U10.13@176.463,17.339 cw(c177.526,16.276) 177.526,17.78 cw(c177.526,19.284) U10.13@176.463,18.221 ; U11.1@207.711,20.574 ccw(c206.207,20.574) 207.27,21.638 ccw(c208.334,22.701) U11.1@208.334,21.197 ; U11.1@207.965,20.574 ccw(c207.074,20.574) 207.704,21.204 ccw(c208.334,21.834) U11.1@208.334,20.943 ; U11.1@208.334,20.574 205.032,23.876 193.192,23.876 184.048,14.732 181.432,14.732 178.384,17.78 U10.13@176.022,17.78 169.409,24.393
NetDS6_8: DS6.8 U10.5 | length 35.3
  BottomLayer w0.254: DS6.8@141.224,11.684 166.878,11.684 U10.5@168.402,10.16 ; DS6.8@141.485,11.423 cw(c142.115,10.793) 142.115,11.684 cw(c142.115,12.575) DS6.8@141.485,11.945 ; DS6.8@141.665,11.243 cw(c142.728,10.18) 142.728,11.684 cw(c142.728,13.188) DS6.8@141.665,12.125 ; U10.5@167.779,10.16 ccw(c166.275,10.16) 167.338,11.224 ccw(c168.402,12.287) U10.5@168.402,10.783 ; U10.5@168.033,10.16 ccw(c167.142,10.16) 167.772,10.79 ccw(c168.402,11.42) U10.5@168.402,10.529
NetDS6_9: DS6.9 U10.4 | length 35.3
  BottomLayer w0.254: DS6.9@141.224,14.224 166.878,14.224 U10.4@168.402,12.7 ; DS6.9@141.485,13.963 cw(c142.115,13.333) 142.115,14.224 cw(c142.115,15.115) DS6.9@141.485,14.485 ; DS6.9@141.665,13.783 cw(c142.728,12.72) 142.728,14.224 cw(c142.728,15.728) DS6.9@141.665,14.665 ; U10.4@167.779,12.7 ccw(c166.275,12.7) 167.338,13.764 ccw(c168.402,14.827) U10.4@168.402,13.323 ; U10.4@168.033,12.7 ccw(c167.142,12.7) 167.772,13.33 ccw(c168.402,13.96) U10.4@168.402,13.069
NetDS6_10: DS6.10 U10.3 | length 35.3
  BottomLayer w0.254: DS6.10@141.224,16.764 166.878,16.764 U10.3@168.402,15.24 ; DS6.10@141.485,16.503 cw(c142.115,15.873) 142.115,16.764 cw(c142.115,17.655) DS6.10@141.485,17.025 ; DS6.10@141.665,16.323 cw(c142.728,15.26) 142.728,16.764 cw(c142.728,18.268) DS6.10@141.665,17.205 ; U10.3@167.779,15.24 ccw(c166.275,15.24) 167.338,16.304 ccw(c168.402,17.367) U10.3@168.402,15.863 ; U10.3@168.033,15.24 ccw(c167.142,15.24) 167.772,15.87 ccw(c168.402,16.5) U10.3@168.402,15.609
NetDS7_1: DS7.1 DS7.6 R23.1 | length 26.9
  TopLayer w0.254: DS7.1@210.566,42.706 ccw(c210.267,43.234) 210.874,43.234 ccw(c211.481,43.234) DS7.1@211.182,42.706 ; DS7.1@210.874,42.164 210.874,43.234 212.344,44.704 219.456,44.704 221.034,46.282 ; DS7.6@220.593,47.685 ccw(c219.53,48.748) 221.034,48.748 ccw(c222.538,48.748) DS7.6@221.475,47.685 ; R23.1@220.629,50.903 cw(c219.651,49.925) 221.034,49.925 cw(c222.417,49.925) R23.1@221.439,50.903 ; DS7.6@220.773,47.505 ccw(c220.143,48.135) 221.034,48.135 ccw(c221.925,48.135) DS7.6@221.295,47.505 ; DS7.6@220.779,46.675 cw(c220.603,46.282) 221.034,46.282 ; R23.1@220.808,51.082 cw(c220.264,50.538) 221.034,50.538 cw(c221.804,50.538) R23.1@221.26,51.082 ; R23.1@221.034,51.308 DS7.6@221.034,47.244 221.034,46.282 ; DS7.6@221.289,46.675 ccw(c221.465,46.282) 221.034,46.282
NetDS7_2: DS7.2 U11.11 | length 22.5
  BottomLayer w0.254: DS7.2@212.973,41.723 cw(c211.91,40.66) 213.414,40.66 cw(c214.918,40.66) DS7.2@213.855,41.723 ; DS7.2@213.153,41.903 cw(c212.523,41.273) 213.414,41.273 cw(c214.305,41.273) DS7.2@213.675,41.903 ; DS7.2@213.414,42.164 213.414,30.734 U11.11@215.954,28.194 ; U11.11@215.331,28.194 ccw(c213.827,28.194) 214.89,29.258 ccw(c215.954,30.321) U11.11@215.954,28.817 ; U11.11@215.585,28.194 ccw(c214.694,28.194) 215.324,28.824 ccw(c215.954,29.454) U11.11@215.954,28.563
NetDS7_3: DS7.3 U11.12 | length 33.2
  BottomLayer w0.254: U11.12@212.791,28.194 ccw(c211.287,28.194) 212.35,29.258 ccw(c213.414,30.321) U11.12@213.414,28.817 ; U11.12@213.045,28.194 ccw(c212.154,28.194) 212.784,28.824 ccw(c213.414,29.454) U11.12@213.414,28.563 ; U11.12@213.414,28.194 209.296,32.312 209.296,43.688 209.804,44.196 215.392,44.196 215.954,43.634 ; DS7.3@215.521,42.612 ccw(c214.531,43.634) 215.954,43.634 ; DS7.3@215.697,42.429 ccw(c215.111,43.035) 215.954,43.035 ccw(c216.797,43.035) DS7.3@216.211,42.429 ; DS7.3@215.954,42.164 215.954,43.634 ; DS7.3@216.387,42.612 cw(c217.377,43.634) 215.954,43.634
NetDS7_4: DS7.4 U11.10 | length 21.5
  BottomLayer w0.254: U11.10@218.053,28.635 ccw(c216.99,29.698) 218.494,29.698 ccw(c219.998,29.698) U11.10@218.935,28.635 ; DS7.4@218.053,41.723 cw(c216.99,40.66) 218.494,40.66 cw(c219.998,40.66) DS7.4@218.935,41.723 ; U11.10@218.233,28.455 ccw(c217.603,29.085) 218.494,29.085 ccw(c219.385,29.085) U11.10@218.755,28.455 ; DS7.4@218.233,41.903 cw(c217.603,41.273) 218.494,41.273 cw(c219.385,41.273) DS7.4@218.755,41.903 ; U11.10@218.494,28.194 DS7.4@218.494,42.164
NetDS7_5: DS7.5 U11.6 | length 33.7
  TopLayer w0.254: DS7.5@220.593,41.723 cw(c219.53,40.66) 221.034,40.66 cw(c222.538,40.66) DS7.5@221.475,41.723 ; DS7.5@220.773,41.903 cw(c220.143,41.273) 221.034,41.273 cw(c221.925,41.273) DS7.5@221.295,41.903 ; U11.6@221.034,20.574 226.568,26.108 226.568,29.979 221.034,35.513 DS7.5@221.034,42.164 ; U11.6@221.034,20.943 ccw(c221.034,21.834) 221.664,21.204 ccw(c222.294,20.574) U11.6@221.403,20.574 ; U11.6@221.034,21.197 ccw(c221.034,22.701) 222.098,21.638 ccw(c223.161,20.574) U11.6@221.657,20.574
NetDS7_7: DS7.7 U11.13 U12.1 U12.2 | length 86.2
  TopLayer w0.254: U12.1@208.334,74.422 U12.2@210.874,74.422 ; U12.1@208.595,74.161 cw(c209.225,73.531) 209.225,74.422 cw(c209.225,75.313) U12.1@208.595,74.683 ; U12.1@208.775,73.981 cw(c209.838,72.918) 209.838,74.422 cw(c209.838,75.926) U12.1@208.775,74.863 ; U12.2@210.433,73.981 ccw(c209.37,72.918) 209.37,74.422 ccw(c209.37,75.926) U12.2@210.433,74.863 ; U12.2@210.613,74.161 ccw(c209.983,73.531) 209.983,74.422 ccw(c209.983,75.313) U12.2@210.613,74.683
  BottomLayer w0.254: U11.13@210.251,28.194 ccw(c208.747,28.194) 209.81,29.258 ccw(c210.874,30.321) U11.13@210.874,28.817 ; U12.2@210.251,74.422 cw(c208.747,74.422) 209.81,73.358 cw(c210.874,72.295) U12.2@210.874,73.799 ; U11.13@210.505,28.194 ccw(c209.614,28.194) 210.244,28.824 ccw(c210.874,29.454) U11.13@210.874,28.563 ; U12.2@210.505,74.422 cw(c209.614,74.422) 210.244,73.792 cw(c210.874,73.162) U12.2@210.874,74.053 ; U11.13@210.874,28.194 207.772,31.296 207.772,44.704 208.28,45.212 216.462,45.212 DS7.7@218.494,47.244 209.474,56.264 209.474,73.022 U12.2@210.874,74.422 ; DS7.7@218.494,46.621 ccw(c218.494,45.117) 217.43,46.18 ccw(c216.367,47.244) 217.871,47.244 ccw(c216.367,47.244) 217.43,48.308 ccw(c218.494,49.371) DS7.7@218.494,47.867 ; DS7.7@218.494,46.875 ccw(c218.494,45.984) 217.864,46.614 ccw(c217.234,47.244) 218.125,47.244 ccw(c217.234,47.244) 217.864,47.874 ccw(c218.494,48.504) DS7.7@218.494,47.613
NetDS7_8: DS7.8 U11.5 | length 57.6
  BottomLayer w0.254: DS7.8@215.331,47.244 ccw(c213.827,47.244) 214.89,48.308 ccw(c215.954,49.371) DS7.8@215.954,47.867 ; DS7.8@215.585,47.244 ccw(c214.694,47.244) 215.324,47.874 ccw(c215.954,48.504) DS7.8@215.954,47.613 ; DS7.8@215.954,47.244 213.338,49.86 207.848,49.86 204.724,46.736 204.724,26.416 206.756,24.384 214.684,24.384 U11.5@218.494,20.574 ; U11.5@217.871,20.574 ccw(c216.367,20.574) 217.43,21.638 ccw(c218.494,22.701) U11.5@218.494,21.197 ; U11.5@218.125,20.574 ccw(c217.234,20.574) 217.864,21.204 ccw(c218.494,21.834) U11.5@218.494,20.943
NetDS7_9: DS7.9 U11.4 | length 58.6
  TopLayer w0.254: DS7.9@212.791,47.244 cw(c211.287,47.244) 212.35,46.18 cw(c213.414,45.117) DS7.9@213.414,46.621 ; DS7.9@213.045,47.244 cw(c212.154,47.244) 212.784,46.614 cw(c213.414,45.984) DS7.9@213.414,46.875 ; DS7.9@213.414,47.244 211.712,45.542 209.118,45.542 207.264,43.688 207.264,34.036 209.042,32.258 221.666,32.258 224.951,28.973 224.951,26.399 221.92,23.368 218.748,23.368 U11.4@215.954,20.574 ; U11.4@215.954,20.943 ccw(c215.954,21.834) 216.584,21.204 ccw(c217.214,20.574) U11.4@216.323,20.574 ; U11.4@215.954,21.197 ccw(c215.954,22.701) 217.018,21.638 ccw(c218.081,20.574) U11.4@216.577,20.574
NetDS7_10: DS7.10 U11.3 | length 71
  BottomLayer w0.254: DS7.10@210.433,46.803 ccw(c209.37,45.74) 209.37,47.244 ccw(c209.37,48.748) DS7.10@210.433,47.685 ; DS7.10@210.613,46.983 ccw(c209.983,46.353) 209.983,47.244 ccw(c209.983,48.135) DS7.10@210.613,47.505 ; DS7.10@210.874,47.244 207.264,47.244 206.248,46.228 206.248,26.924 207.772,25.4 222.504,25.4 225.552,22.352 225.552,18.796 225.044,18.288 213.868,18.288 213.414,18.742 U11.3@213.414,20.574 ; U11.3@212.973,20.133 cw(c211.91,19.07) 213.414,19.07 cw(c214.918,19.07) U11.3@213.855,20.133 ; U11.3@213.153,20.313 cw(c212.523,19.683) 213.414,19.683 cw(c214.305,19.683) U11.3@213.675,20.313
NetDS8_1: DS8.1 DS8.6 R24.1 | length 31
  TopLayer w0.254: DS8.1@210.874,57.404 213.922,60.452 219.002,60.452 DS8.6@221.034,62.484 ; DS8.1@210.874,57.773 ccw(c210.874,58.664) 211.504,58.034 ccw(c212.134,57.404) DS8.1@211.243,57.404 ; DS8.1@210.874,58.027 ccw(c210.874,59.531) 211.938,58.468 ccw(c213.001,57.404) DS8.1@211.497,57.404 ; DS8.6@220.411,62.484 cw(c218.907,62.484) 219.97,61.42 cw(c221.034,60.357) DS8.6@221.034,61.861 ; DS8.6@220.665,62.484 cw(c219.774,62.484) 220.404,61.854 cw(c221.034,61.224) DS8.6@221.034,62.115
  BottomLayer w0.254: DS8.6@220.593,62.925 ccw(c219.53,63.988) 221.034,63.988 ccw(c222.538,63.988) DS8.6@221.475,62.925 ; R24.1@220.629,66.143 cw(c219.651,65.165) 221.034,65.165 cw(c222.417,65.165) R24.1@221.439,66.143 ; DS8.6@220.773,62.745 ccw(c220.143,63.375) 221.034,63.375 ccw(c221.925,63.375) DS8.6@221.295,62.745 ; R24.1@220.808,66.322 cw(c220.264,65.778) 221.034,65.778 cw(c221.804,65.778) R24.1@221.26,66.322 ; DS8.6@221.034,62.484 R24.1@221.034,66.548
NetDS8_2: DS8.2 U12.11 | length 49.4
  TopLayer w0.254: DS8.2@212.791,57.404 cw(c211.287,57.404) 212.35,56.34 cw(c213.414,55.277) DS8.2@213.414,56.781 ; DS8.2@213.045,57.404 cw(c212.154,57.404) 212.784,56.774 cw(c213.414,56.144) DS8.2@213.414,57.035 ; DS8.2@213.414,57.404 210.874,54.864 208.153,54.864 206.248,56.769 206.248,76.2 208.28,78.232 214.376,78.232 215.954,79.81 U12.11@215.954,82.042 ; U12.11@215.513,81.601 cw(c214.45,80.538) 215.954,80.538 cw(c217.458,80.538) U12.11@216.395,81.601 ; U12.11@215.693,81.781 cw(c215.063,81.151) 215.954,81.151 cw(c216.845,81.151) U12.11@216.215,81.781
NetDS8_3: DS8.3 U12.12 | length 55.8
  TopLayer w0.254: U12.12@212.791,82.042 ccw(c211.287,82.042) 212.35,83.106 ccw(c213.414,84.169) U12.12@213.414,82.665 ; U12.12@213.045,82.042 ccw(c212.154,82.042) 212.784,82.672 ccw(c213.414,83.302) U12.12@213.414,82.411 ; U12.12@213.414,82.042 212.017,83.439 207.772,83.439 204.724,80.391 204.724,56.388 207.264,53.848 212.398,53.848 DS8.3@215.954,57.404 ; DS8.3@215.331,57.404 cw(c213.827,57.404) 214.89,56.34 cw(c215.954,55.277) DS8.3@215.954,56.781 ; DS8.3@215.585,57.404 cw(c214.694,57.404) 215.324,56.774 cw(c215.954,56.144) DS8.3@215.954,57.035
NetDS8_4: DS8.4 U12.10 | length 37.8
  BottomLayer w0.254: DS8.4@218.494,57.404 225.552,64.462 225.552,75.184 218.694,82.042 U12.10@218.494,82.042 ; DS8.4@218.494,57.773 ccw(c218.494,58.664) 219.124,58.034 ccw(c219.754,57.404) DS8.4@218.863,57.404 ; DS8.4@218.494,58.027 ccw(c218.494,59.531) 219.558,58.468 ccw(c220.621,57.404) DS8.4@219.117,57.404 ; U12.10@218.494,81.419 cw(c218.494,79.432) 219.899,80.837 ; U12.10@218.494,81.673 cw(c218.494,80.299) 219.465,81.271 ; U12.10@219.117,82.042 ccw(c220.138,82.042) 219.416,81.32
NetDS8_5: DS8.5 U12.6 | length 25.7
  TopLayer w0.254: DS8.5@221.034,57.404 222.428,58.798 222.428,73.028 U12.6@221.034,74.422 ; DS8.5@221.034,57.773 ccw(c221.034,58.664) 221.664,58.034 ccw(c222.294,57.404) DS8.5@221.403,57.404 ; DS8.5@221.034,58.027 ccw(c221.034,59.531) 222.098,58.468 ccw(c223.161,57.404) DS8.5@221.657,57.404 ; U12.6@221.034,73.799 cw(c221.034,72.295) 222.098,73.358 cw(c223.161,74.422) U12.6@221.657,74.422 ; U12.6@221.034,74.053 cw(c221.034,73.162) 221.664,73.792 cw(c222.294,74.422) U12.6@221.403,74.422
NetDS8_7: DS8.7 U12.13 | length 41.3
  TopLayer w0.254: v2(208.204,66.065) 214.913,66.065 DS8.7@218.494,62.484 ; v2@208.563,65.706 cw(c209.43,64.839) 209.43,66.065 cw(c209.43,67.292) v2@208.563,66.425 ; DS8.7@217.871,62.484 ccw(c216.367,62.484) 217.43,63.548 ccw(c218.494,64.611) DS8.7@218.494,63.107 ; DS8.7@218.125,62.484 ccw(c217.234,62.484) 217.864,63.114 ccw(c218.494,63.744) DS8.7@218.494,62.853
  BottomLayer w0.254: v2@207.696,66.065 ccw(c206.469,66.065) 207.337,66.933 ccw(c208.204,67.8) v2@208.204,66.573 ; v2(208.204,66.065) 206.934,67.335 206.934,78.102 U12.13@210.874,82.042 ; U12.13@210.251,82.042 cw(c208.747,82.042) 209.81,80.978 cw(c210.874,79.915) U12.13@210.874,81.419 ; U12.13@210.505,82.042 cw(c209.614,82.042) 210.244,81.412 cw(c210.874,80.782) U12.13@210.874,81.673
NetDS8_8: DS8.8 U12.5 | length 20.5
  BottomLayer w0.254: DS8.8@215.954,62.484 218.494,65.024 U12.5@218.494,74.422 ; DS8.8@215.954,62.853 ccw(c215.954,63.744) 216.584,63.114 ccw(c217.214,62.484) DS8.8@216.323,62.484 ; DS8.8@215.954,63.107 ccw(c215.954,64.611) 217.018,63.548 ccw(c218.081,62.484) DS8.8@216.577,62.484 ; U12.5@218.053,73.981 cw(c216.99,72.918) 218.494,72.918 cw(c219.998,72.918) U12.5@218.935,73.981 ; U12.5@218.233,74.161 cw(c217.603,73.531) 218.494,73.531 cw(c219.385,73.531) U12.5@218.755,74.161
NetDS8_9: DS8.9 U12.4 | length 20.5
  BottomLayer w0.254: DS8.9@213.414,62.484 215.954,65.024 U12.4@215.954,74.422 ; DS8.9@213.414,62.853 ccw(c213.414,63.744) 214.044,63.114 ccw(c214.674,62.484) DS8.9@213.783,62.484 ; DS8.9@213.414,63.107 ccw(c213.414,64.611) 214.478,63.548 ccw(c215.541,62.484) DS8.9@214.037,62.484 ; U12.4@215.513,73.981 cw(c214.45,72.918) 215.954,72.918 cw(c217.458,72.918) U12.4@216.395,73.981 ; U12.4@215.693,74.161 cw(c215.063,73.531) 215.954,73.531 cw(c216.845,73.531) U12.4@216.215,74.161
NetDS8_10: DS8.10 U12.3 | length 16.8
  BottomLayer w0.254: DS8.10@210.874,62.484 212.725,64.335 212.725,73.733 U12.3@213.414,74.422 ; DS8.10@210.874,62.853 ccw(c210.874,63.744) 211.504,63.114 ccw(c212.134,62.484) DS8.10@211.243,62.484 ; DS8.10@210.874,63.107 ccw(c210.874,64.611) 211.938,63.548 ccw(c213.001,62.484) DS8.10@211.497,62.484
NetLED0_1: LED0.1 R0.2 | length 17.9
  BottomLayer w0.254: LED0.1@14.478,21.679 cw(c14.478,20.054) 15.627,21.203 cw(c16.776,22.352) LED0.1@15.151,22.352 ; LED0.1@14.478,21.933 cw(c14.478,20.921) 15.193,21.637 cw(c15.909,22.352) LED0.1@14.897,22.352 ; LED0.1@14.478,22.352 18.796,18.034 R0.2@18.796,13.716 ; R0.2@18.391,14.121 ccw(c17.413,15.099) 18.796,15.099 ccw(c20.179,15.099) R0.2@19.201,14.121 ; R0.2@18.57,13.942 ccw(c18.026,14.486) 18.796,14.486 ccw(c19.566,14.486) R0.2@19.022,13.942
NetLED1_1: LED1.1 R1.2 | length 9.7
  BottomLayer w0.254: LED1.1@150.435,75.251 cw(c149.372,74.188) 150.876,74.188 cw(c152.38,74.188) LED1.1@151.317,75.251 ; R1.2@150.471,73.557 ccw(c149.493,74.535) 150.876,74.535 ccw(c152.259,74.535) R1.2@151.281,73.557 ; LED1.1@150.615,75.431 cw(c149.985,74.801) 150.876,74.801 cw(c151.767,74.801) LED1.1@151.137,75.431 ; R1.2@150.65,73.378 ccw(c150.106,73.922) 150.876,73.922 ccw(c151.646,73.922) R1.2@151.102,73.378 ; R1.2@150.876,73.152 LED1.1@150.876,75.692
NetLED1_3: LED1.3 R25.2 | length 9.7
  BottomLayer w0.254: LED1.3@155.515,75.251 cw(c154.452,74.188) 155.956,74.188 cw(c157.46,74.188) LED1.3@156.397,75.251 ; R25.2@155.551,73.557 ccw(c154.573,74.535) 155.956,74.535 ccw(c157.339,74.535) R25.2@156.361,73.557 ; LED1.3@155.695,75.431 cw(c155.065,74.801) 155.956,74.801 cw(c156.847,74.801) LED1.3@156.217,75.431 ; R25.2@155.73,73.378 ccw(c155.186,73.922) 155.956,73.922 ccw(c156.726,73.922) R25.2@156.182,73.378 ; R25.2@155.956,73.152 LED1.3@155.956,75.692
NetLED2_1: LED2.1 R26.2 | length 9.7
  BottomLayer w0.254: LED2.1@138.243,75.251 cw(c137.18,74.188) 138.684,74.188 cw(c140.188,74.188) LED2.1@139.125,75.251 ; R26.2@138.279,73.557 ccw(c137.301,74.535) 138.684,74.535 ccw(c140.067,74.535) R26.2@139.089,73.557 ; LED2.1@138.423,75.431 cw(c137.793,74.801) 138.684,74.801 cw(c139.575,74.801) LED2.1@138.945,75.431 ; R26.2@138.458,73.378 ccw(c137.914,73.922) 138.684,73.922 ccw(c139.454,73.922) R26.2@138.91,73.378 ; R26.2@138.684,73.152 LED2.1@138.684,75.692
NetLED2_3: LED2.3 R2.2 | length 9.7
  BottomLayer w0.254: LED2.3@133.163,75.251 cw(c132.1,74.188) 133.604,74.188 cw(c135.108,74.188) LED2.3@134.045,75.251 ; R2.2@133.199,73.557 ccw(c132.221,74.535) 133.604,74.535 ccw(c134.987,74.535) R2.2@134.009,73.557 ; LED2.3@133.343,75.431 cw(c132.713,74.801) 133.604,74.801 cw(c134.495,74.801) LED2.3@133.865,75.431 ; R2.2@133.378,73.378 ccw(c132.834,73.922) 133.604,73.922 ccw(c134.374,73.922) R2.2@133.83,73.378 ; R2.2@133.604,73.152 LED2.3@133.604,75.692